# Altium PCB Acquisition-System_V1.0.PcbDoc (part 2 of 5)
Units mil, origin at the board's own origin, x right, y up, seen from the top; angles counter-clockwise.
Board outline 4370.08 x 5629.92 mil, 4 copper layers (Top Layer, Mid-Layer 1, Mid-Layer 2, Bottom Layer), stack 62.135 mil thick; 241 components, 167 nets, 1010 pads, 677 vias.
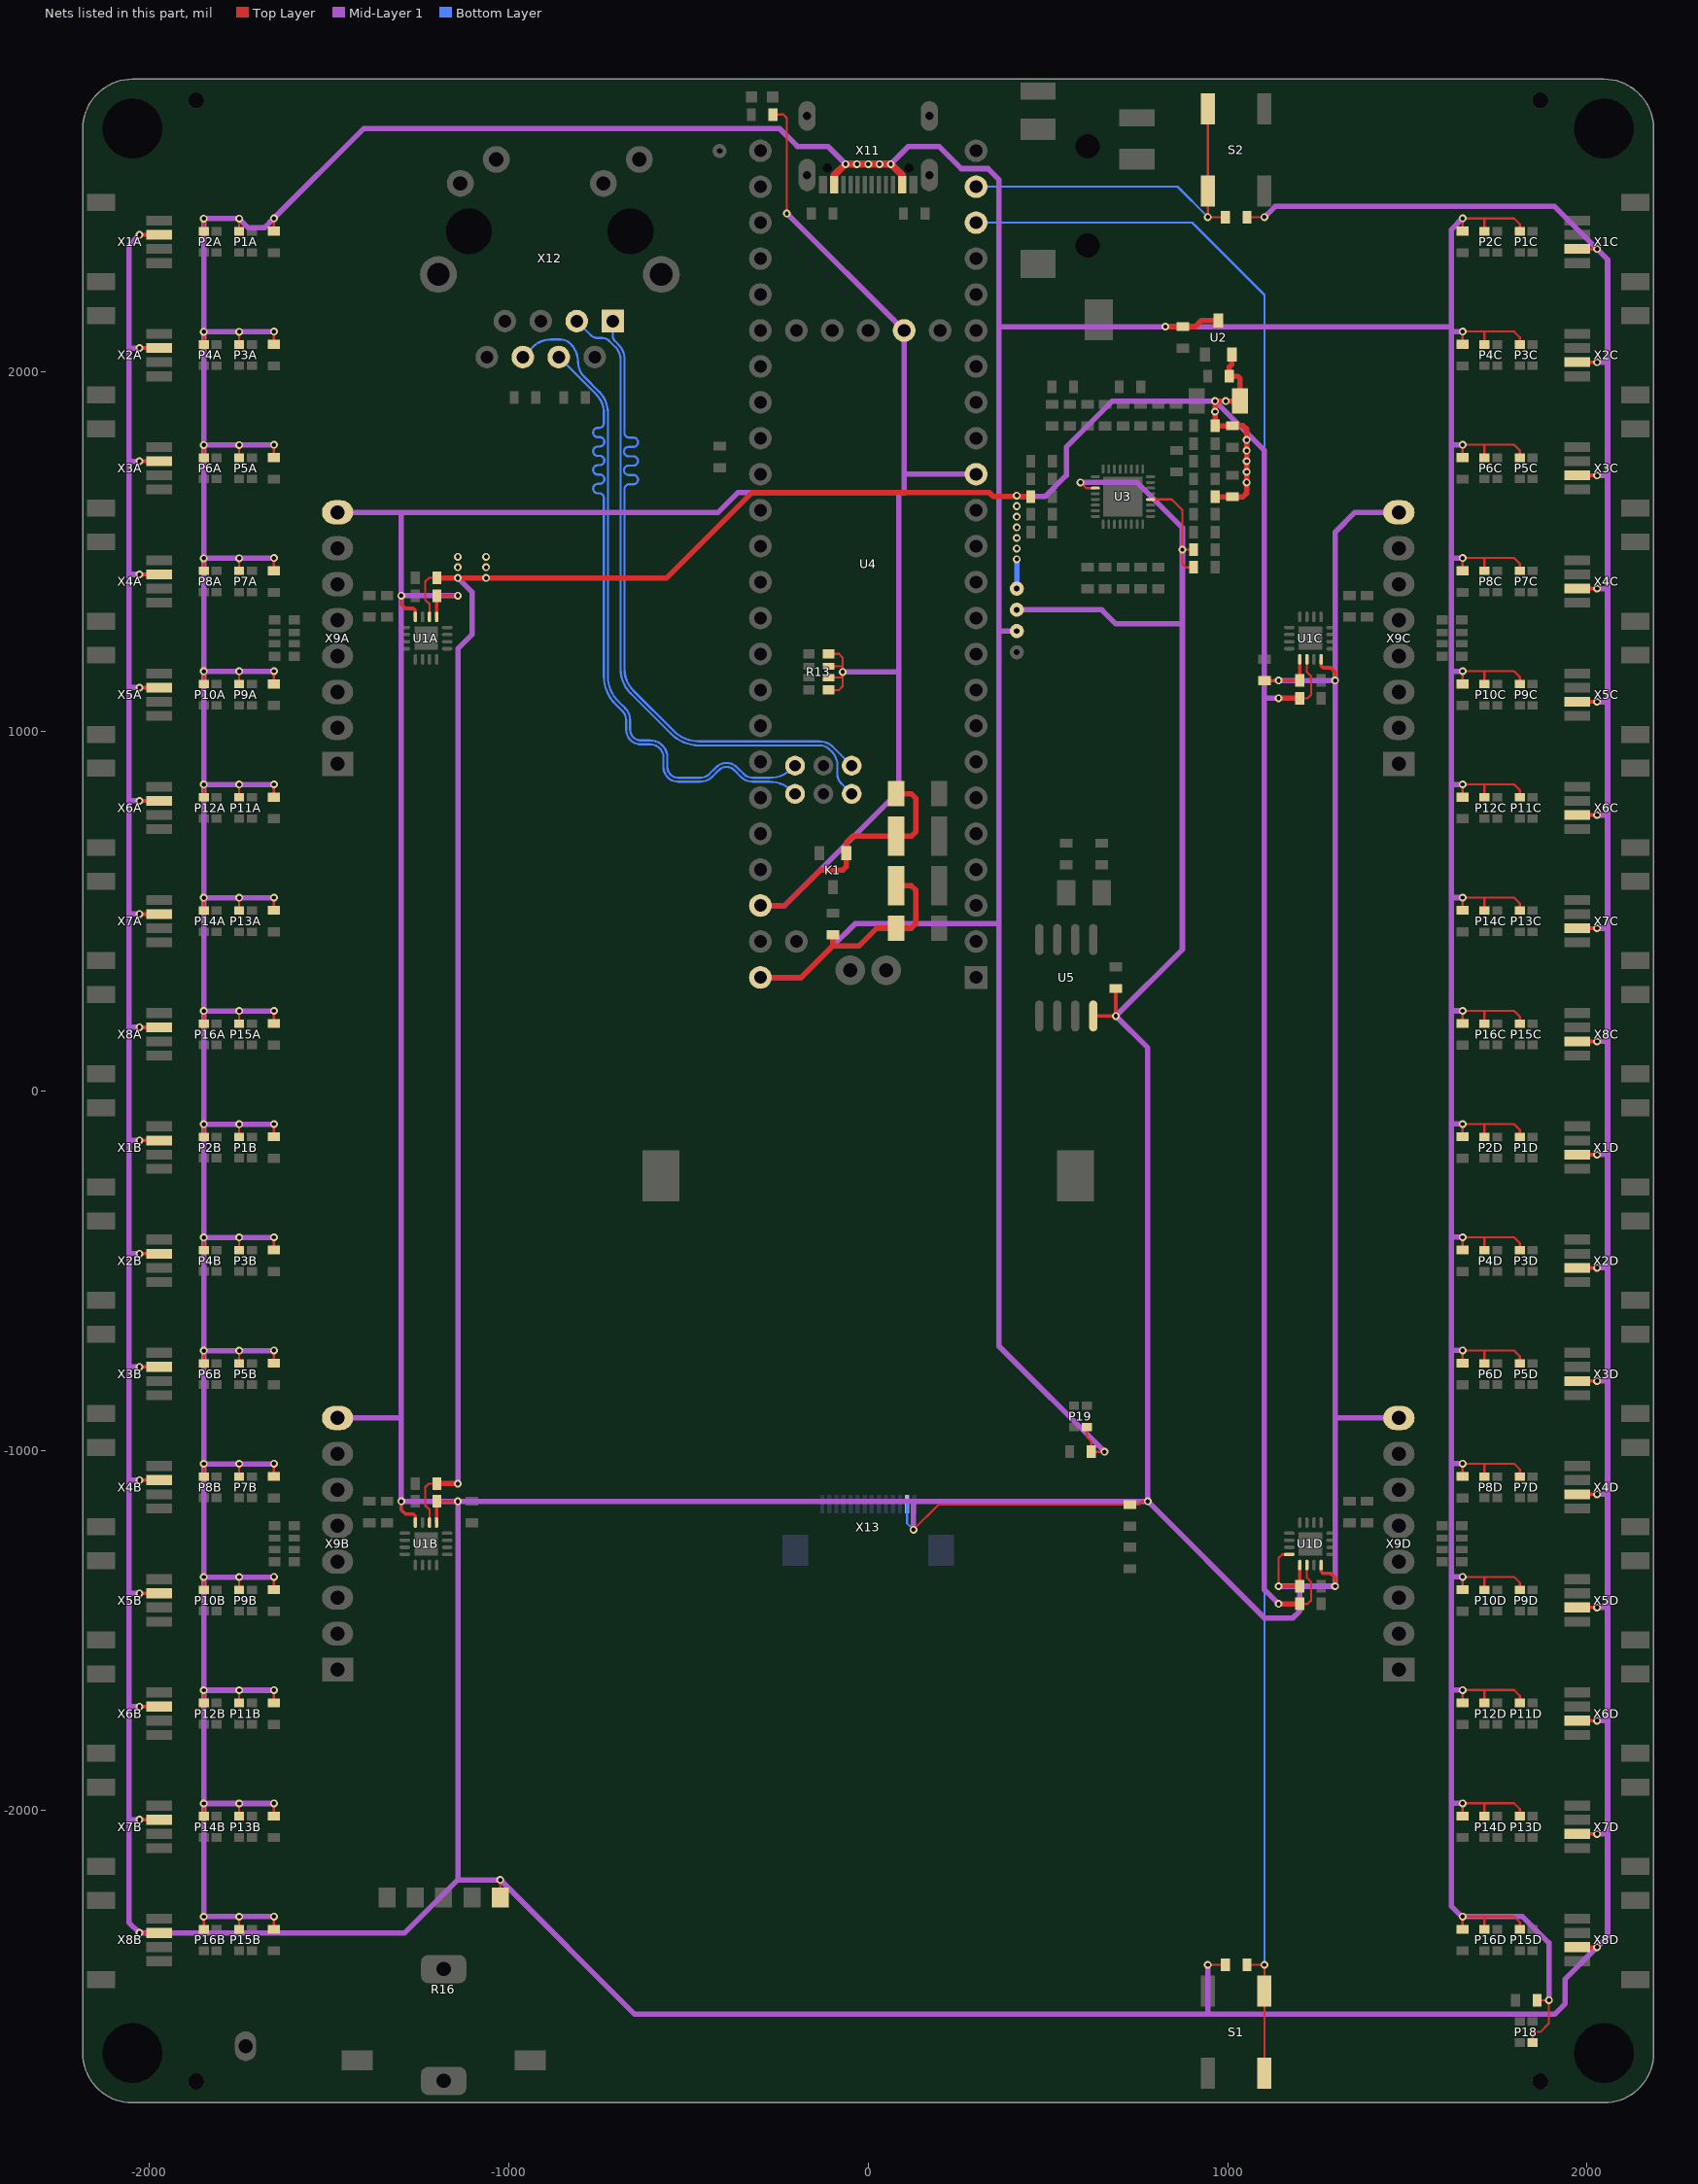
[diagram p4: the nets of this part, all layers, seen from the top]

## Via types
v1: diameter 21.65, hole 11.81, Top Layer to Bottom Layer, tented both sides, 388 vias
v2: diameter 24.41, hole 11.81, Top Layer to Bottom Layer, tented both sides, 289 vias

## Nets (pads, with @x,y where several pads share a name; then routed paths per layer and width w, separated by ;. In a path a pad name is that pad's centre, name@x,y a point inside that pad or via, vN(x,y) a via of type N, cw(c..) or ccw(c..) an arc to the next point about the centre after c; other vN are vias at no path point)
1V8: C2A.2 C2B.2 C2C.2 C2D.2 C11.2 C12.2 C16.2 C17.2 L1.1 L2.1 L3.1 TP1.1 U1A.14 U1B.14 U1C.14 U1D.14 U2.2 | length 9949.8
  Top Layer w6: U1B.14@-1220.47,-1200.79 -1220.47,-1165.35 -1232.28,-1153.54 -1232.28,-1102.36 -1222.44,-1092.52 C2B.2@-1200.31,-1092.52 ; U1A.14@-1220.47,1318.9 -1220.47,1354.33 -1232.28,1366.14 -1232.28,1417.32 -1222.44,1427.17 C2A.2@-1200.31,1427.17 ; C2D.2@1200.31,-1427.17 1222.44,-1427.17 1232.28,-1417.32 1232.28,-1366.14 1220.47,-1354.33 U1D.14@1220.47,-1318.9 ; C2C.2@1200.31,1092.52 1222.44,1092.52 1232.28,1102.36 1232.28,1153.54 1220.47,1165.35 U1C.14@1220.47,1200.79
  Top Layer w15: C2B.2@-1200.31,-1092.52 v1(-1141.73,-1092.52) ; C2A.2@-1200.31,1427.17 v1(-1141.73,1427.17) -561.02,1427.17 -322.83,1665.35 336.61,1665.35 348.43,1653.54 413.39,1653.54 L1.1@452.28,1653.54 ; L2.1@965.04,1653.54 965.51,1653.07 C11.2@1013.78,1653.07 1042.83,1653.07 1053.15,1663.39 1053.15,1840.55 1042.83,1850.87 C12.2@1013.78,1850.87 1013.3,1850.39 L3.1@965.04,1850.39 v1(965.04,1919.29) C17.2@1034.41,1919.29 1034.41,1981.34 1027.56,1988.19 C16.2@1004.41,1988.19 ; C16.2@1004.41,1986.22 1004.41,2014.25 1011.81,2021.65 U2.2@1011.81,2047.24 ; v1(1141.73,-1427.17) C2D.2@1200.31,-1427.17 ; v1(1141.73,1092.52) C2C.2@1200.31,1092.52
  Mid-Layer 1 w15: v1(-1141.73,-1092.52) -1141.73,1230.31 -1102.36,1269.69 -1102.36,1387.8 v1(-1141.73,1427.17) ; v1@413.39,1653.54 492.13,1653.54 551.18,1712.6 551.18,1791.34 679.13,1919.29 v1(965.04,1919.29) 1102.36,1781.97 1102.36,1092.52 ; v1(1141.73,-1427.17) 1102.36,-1387.8 1102.36,1092.52 ; v1(1141.73,1092.52) 1102.36,1092.52
  Bottom Layer w15: TP1.1@413.39,1397.64 v1(413.39,1479.33)
  other v1: -1062.99,1427.17 -1141.73,1456.69 -1062.99,1456.69 -1141.73,1486.22 -1062.99,1486.22 413.39,1508.86 413.39,1538.39 413.39,1567.91 413.39,1597.44 413.39,1626.97 413.39,1656.5 1053.15,1692.92 1053.15,1722.44 1053.15,1751.97 1053.15,1781.5 1053.15,1811.02 965.04,1889.76 994.57,1919.29
3V3: C1A.2 C1B.2 C1C.2 C1D.2 C13.2 C14.2 C36.P C37.2 C41.2 C44.2 K1.G R2.2 R13.1 R13.2 R13.3 R13.4 R16.CCW R17.2 R18.2 R19.1 TP2.1 U1A.13 U1A.16 U1B.13 U1B.16 U1C.13 U1C.16 U1D.12 U1D.13 U1D.16 U3.4 U3.19 U4.15 U4.46 U4.51 U5.8 X1A.2 X1B.2 X1C.2 X1D.2 X2A.2 X2B.2 X2C.2 X2D.2 X3A.2 X3B.2 X3C.2 X3D.2 X4A.2 X4B.2 X4C.2 X4D.2 X5A.2 X5B.2 X5C.2 X5D.2 X6A.2 X6B.2 X6C.2 X6D.2 X7A.2 X7B.2 X7C.2 X7D.2 X8A.2 X8B.2 X8C.2 X8D.2 X9A.8 X9B.8 X9C.8 X9D.8 X13.13 | length 39671.5
  Top Layer w6: R16.CCW@-1023.62,-2244.09 v1(-1023.62,-2194.88) ; R19.1@-265.28,2716.54 -236.22,2716.54 -226.38,2706.69 v1(-226.38,2440.94) ; R13.1@-110.24,1115.55 -81.3,1115.55 -70.87,1125.98 -70.87,1149.61 ; R13.2@-110.24,1150 -71.26,1150 -70.87,1149.61 ; R13.3@-110.24,1181.5 -71.26,1181.5 ; R13.4@-110.24,1215.94 -81.3,1215.94 -70.87,1205.51 v1(-70.87,1165.75) -70.87,1149.61 ; v1(125.98,-1220.47) 195.35,-1151.1 C41.2@728.35,-1151.1 752.44,-1151.1 761.67,-1141.88 777.41,-1141.88 v1(777.56,-1141.73) ; v1(590.55,1692.91) 606.3,1677.17 U3.19@631.89,1677.17 ; U3.4@785.43,1645.67 844.49,1645.67 874.02,1616.14 v1(874.02,1505.91) ; v1@866.14,1505.9 v1(874.02,1505.91) ; C14.2@905.04,1456.69 883.86,1456.69 874.02,1466.54 v1(874.02,1505.91) ; C13.2@905.04,1505.9 v1(874.02,1505.91) ; v1(944.88,-2431.1) R17.2@993.62,-2431.1 ; R18.2@1053.62,2431.1 v1(1102.36,2431.1) ; v1(1141.73,-1377.95) 1141.73,-1299.21 1151.57,-1289.37 U1D.12@1171.26,-1289.37
  Top Layer w10: v1(-2027.56,-2342.52) X8B.2@-1972.44,-2342.52 ; v1(-2027.56,-2027.56) X7B.2@-1972.44,-2027.56 ; v1(-2027.56,-1712.6) X6B.2@-1972.44,-1712.6 ; v1(-2027.56,-1397.64) X5B.2@-1972.44,-1397.64 ; v1(-2027.56,-1082.68) X4B.2@-1972.44,-1082.68 ; v1(-2027.56,-767.72) X3B.2@-1972.44,-767.72 ; v1(-2027.56,-452.76) X2B.2@-1972.44,-452.76 ; v1(-2027.56,-137.8) X1B.2@-1972.44,-137.8 ; v1(-2027.56,177.17) X8A.2@-1972.44,177.17 ; v1(-2027.56,492.13) X7A.2@-1972.44,492.13 ; v1(-2027.56,807.09) X6A.2@-1972.44,807.09 ; v1(-2027.56,1122.05) X5A.2@-1972.44,1122.05 ; v1(-2027.56,1437.01) X4A.2@-1972.44,1437.01 ; v1(-2027.56,1751.97) X3A.2@-1972.44,1751.97 ; v1(-2027.56,2066.93) X2A.2@-1972.44,2066.93 ; v1(-2027.56,2381.89) X1A.2@-1972.44,2381.89 ; v1(-1299.21,-1141.73) -1299.21,-1165.35 -1287.4,-1177.17 -1265.7,-1177.17 -1259.84,-1183.02 U1B.16@-1259.84,-1200.79 ; v1(-1299.21,1377.95) -1299.21,1354.33 -1287.4,1342.52 -1265.7,1342.52 -1259.84,1336.66 U1A.16@-1259.84,1318.9 ; U1B.13@-1200.79,-1200.79 -1200.79,-1142.2 C1B.2@-1200.31,-1141.73 v1(-1141.73,-1141.73) v1@-1141.26,-1141.26 ; U1A.13@-1200.79,1318.9 -1200.79,1377.48 C1A.2@-1200.31,1377.95 ; C1A.2@-1200.31,1377.95 v1(-1141.73,1377.95) ; U5.8@626.18,208.66 v1(688.98,208.66) C44.2@688.98,284.96 ; R2.2@1102.36,1141.26 1102.84,1141.73 v1(1141.73,1141.73) C1C.2@1200.31,1141.73 1200.79,1142.2 U1C.13@1200.79,1200.79 ; v1(1141.73,-1377.95) C1D.2@1200.31,-1377.95 1200.79,-1377.48 U1D.13@1200.79,-1318.9 ; U1D.16@1259.84,-1318.9 1259.84,-1336.66 1265.7,-1342.52 1287.4,-1342.52 1299.21,-1354.33 v1(1299.21,-1377.95) ; U1C.16@1259.84,1200.79 1259.84,1183.02 1265.7,1177.17 1287.4,1177.17 1299.21,1165.35 v1(1299.21,1141.73) ; X8D.2@1972.44,-2381.89 v1(2027.56,-2381.89) ; X7D.2@1972.44,-2066.93 v1(2027.56,-2066.93) ; X6D.2@1972.44,-1751.97 v1(2027.56,-1751.97) ; X5D.2@1972.44,-1437.01 v1(2027.56,-1437.01) ; X4D.2@1972.44,-1122.05 v1(2027.56,-1122.05) ; X3D.2@1972.44,-807.09 v1(2027.56,-807.09) ; X2D.2@1972.44,-492.13 v1(2027.56,-492.13) ; X1D.2@1972.44,-177.17 v1(2027.56,-177.17) ; X8C.2@1972.44,137.8 v1(2027.56,137.8) ; X7C.2@1972.44,452.76 v1(2027.56,452.76) ; X6C.2@1972.44,767.72 v1(2027.56,767.72) ; X5C.2@1972.44,1082.68 v1(2027.56,1082.68) ; X4C.2@1972.44,1397.64 v1(2027.56,1397.64) ; X3C.2@1972.44,1712.6 v1(2027.56,1712.6) ; X2C.2@1972.44,2027.56 v1(2027.56,2027.56) ; X1C.2@1972.44,2342.52 v1(2027.56,2342.52)
  Top Layer w15: U4.46@-300,515.75 -232.28,515.75 -133.86,614.17 -70.87,614.17 -61.02,624.02 -61.02,657.48 -59.06,659.45 -59.06,692.91 -43.31,708.66 120.16,708.66 131.97,720.47 131.97,814.96 120.16,826.77 C37.2@77.8,826.77
  Mid-Layer 1 w15: -2057.09,-2027.56 v1(-2027.56,-2027.56) ; -2057.09,-1712.6 v1(-2027.56,-1712.6) ; -2057.09,-1397.64 v1(-2027.56,-1397.64) ; -2057.09,-1082.68 v1(-2027.56,-1082.68) ; -2057.09,-767.72 v1(-2027.56,-767.72) ; -2057.09,-452.76 v1(-2027.56,-452.76) ; -2057.09,-137.8 v1(-2027.56,-137.8) ; -2057.09,177.17 v1(-2027.56,177.17) ; -2057.09,492.13 v1(-2027.56,492.13) ; -2057.09,807.09 v1(-2027.56,807.09) ; -2057.09,1122.05 v1(-2027.56,1122.05) ; -2057.09,1437.01 v1(-2027.56,1437.01) ; -2057.09,1751.97 v1(-2027.56,1751.97) ; v1(-2027.56,2066.93) -2057.09,2066.93 ; v1(-2027.56,2381.89) -2057.09,2352.36 -2057.09,2066.93 ; X9B.8@-1476.38,-909.84 -1299.21,-909.84 ; X9A.8@-1476.38,1609.84 -1299.21,1609.84 ; v1(-1141.73,1377.95) v1(-1299.21,1377.95) ; U4.46@-300,515.75 -232.28,515.75 84.65,832.68 84.65,1165.75 ; v1@-226.38,2442.13 U4.51@100,2115.75 100,1712.6 ; v1(-70.87,1165.75) 84.65,1165.75 ; v1(125.98,-1220.47) 125.98,-1143.7 127.95,-1141.73 ; U4.15@300,1715.75 103.15,1715.75 100,1712.6 ; TP2.1@413.39,1338.58 649.61,1338.58 688.98,1299.21 874.02,1299.21 ; v1(590.55,1692.91) 748.03,1692.91 874.02,1566.93 v1(874.02,1505.91) 874.02,1299.21 ; v1(944.88,-2431.1) 944.88,-2568.9 ; v1(1102.36,2431.1) 1131.89,2460.63 1909.45,2460.63 v1(2027.56,2342.52) 2057.09,2312.99 2057.09,2027.56 ; v1(1141.73,-1377.95) 1200.79,-1377.95 ; v1(1141.73,1141.73) v1(1299.21,1141.73) ; X9D.8@1476.38,-909.84 1299.21,-909.84 ; X9C.8@1476.38,1609.84 1353.94,1609.84 1299.21,1555.12 v1(1299.21,1141.73) ; v1(2027.56,-2066.93) 2057.09,-2066.93 ; v1(2027.56,-1751.97) 2057.09,-1751.97 ; v1(2027.56,-1437.01) 2057.09,-1437.01 ; v1(2027.56,-1122.05) 2057.09,-1122.05 ; v1(2027.56,-807.09) 2057.09,-807.09 ; v1(2027.56,-492.13) 2057.09,-492.13 ; v1(2027.56,-177.17) 2057.09,-177.17 ; v1(2027.56,137.8) 2057.09,137.8 ; v1(2027.56,452.76) 2057.09,452.76 ; v1(2027.56,767.72) 2057.09,767.72 ; v1(2027.56,1082.68) 2057.09,1082.68 ; v1(2027.56,1397.64) 2057.09,1397.64 ; v1(2027.56,1712.6) 2057.09,1712.6 ; v1(2027.56,2027.56) 2057.09,2027.56 ; -2057.09,2066.93 -2057.09,-2312.99 v1(-2027.56,-2342.52) -1289.37,-2342.52 -1141.73,-2194.88 ; -1299.21,-909.84 v1(-1299.21,1377.95) ; -1299.21,-909.84 v1(-1299.21,-1141.73) v1(-1141.73,-1141.73) ; v1(-1299.21,1377.95) -1299.21,1609.84 ; -1299.21,1609.84 -417.72,1609.84 -362.2,1665.35 84.65,1665.35 ; -1141.73,-2194.88 v1(-1141.73,-1141.73) ; -1141.73,-2194.88 v1(-1023.62,-2194.88) -649.61,-2568.9 944.88,-2568.9 ; v1(-1141.73,-1141.73) 127.95,-1141.73 ; 84.65,1165.75 84.65,1665.35 ; 84.65,1665.35 98.03,1665.35 100,1663.39 100,1712.6 ; 127.95,-1141.73 v1(777.56,-1141.73) ; v1(777.56,-1141.73) 777.56,120.08 v1(688.98,208.66) 874.02,393.7 874.02,1299.21 ; v1(777.56,-1141.73) 1102.36,-1466.54 1181.1,-1466.54 1200.79,-1446.85 1200.79,-1377.95 ; 944.88,-2568.9 1909.45,-2568.9 1938.98,-2539.37 1938.98,-2470.47 v1(2027.56,-2381.89) 2057.09,-2352.36 2057.09,2027.56 ; 1200.79,-1377.95 v1(1299.21,-1377.95) 1299.21,-909.84 ; 1299.21,-909.84 v1(1299.21,1141.73)
  Bottom Layer w6: X13.13@108.27,-1149.61 108.27,-1202.76 v1(125.98,-1220.47)
5V: C3A.2 C3B.2 C3C.2 C3D.2 C4A.2 C4B.2 C4C.2 C4D.2 C5A.2 C5B.2 C5C.2 C5D.2 C6A.2 C6B.2 C6C.2 C6D.2 C7A.2 C7B.2 C7C.2 C7D.2 C8A.2 C8B.2 C8C.2 C8D.2 C9A.2 C9B.2 C9C.2 C9D.2 C10A.2 C10B.2 C10C.2 C10D.2 C15.2 C34.P C35.2 C42.2 C43.2 P1A.1 P1B.1 P1C.1 P1D.1 P2A.1 P2B.1 P2C.1 P2D.1 P3A.1 P3B.1 P3C.1 P3D.1 P4A.1 P4B.1 P4C.1 P4D.1 P5A.1 P5B.1 P5C.1 P5D.1 P6A.1 P6B.1 P6C.1 P6D.1 P7A.1 P7B.1 P7C.1 P7D.1 P8A.1 P8B.1 P8C.1 P8D.1 P9A.1 P9B.1 P9C.1 P9D.1 P10A.1 P10B.1 P10C.1 P10D.1 P11A.1 P11B.1 P11C.1 P11D.1 P12A.1 P12B.1 P12C.1 P12D.1 P13A.1 P13B.1 P13C.1 P13D.1 P14A.1 P14B.1 P14C.1 P14D.1 P15A.1 P15B.1 P15C.1 P15D.1 P16A.1 P16B.1 P16C.1 P16D.1 P18.1 P19.1 R21.2 TP3.1 U2.3 U4.48 X11.A4B9 X11.B4A9 | length 28536.3
  Top Layer w6: P16B.1@-1848.43,-2332.68 v1(-1848.43,-2297.24) ; P14B.1@-1848.43,-2017.72 v1(-1848.43,-1982.28) ; P12B.1@-1848.43,-1702.76 v1(-1848.43,-1667.32) ; P10B.1@-1848.43,-1387.8 v1(-1848.43,-1352.36) ; P8B.1@-1848.43,-1072.83 v1(-1848.43,-1037.4) ; P6B.1@-1848.43,-757.87 v1(-1848.43,-722.44) ; P4B.1@-1848.43,-442.91 v1(-1848.43,-407.48) ; P2B.1@-1848.43,-127.95 v1(-1848.43,-92.52) ; P16A.1@-1848.43,187.01 v1(-1848.43,222.44) ; P14A.1@-1848.43,501.97 v1(-1848.43,537.4) ; P12A.1@-1848.43,816.93 v1(-1848.43,852.36) ; P10A.1@-1848.43,1131.89 v1(-1848.43,1167.32) ; P8A.1@-1848.43,1446.85 v1(-1848.43,1482.28) ; P6A.1@-1848.43,1761.81 v1(-1848.43,1797.24) ; P4A.1@-1848.43,2076.77 v1(-1848.43,2112.2) ; P2A.1@-1848.43,2391.73 v1(-1848.43,2427.17) ; P15B.1@-1750,-2332.68 v1(-1750,-2297.24) ; P13B.1@-1750,-2017.72 v1(-1750,-1982.28) ; P11B.1@-1750,-1702.76 v1(-1750,-1667.32) ; P9B.1@-1750,-1387.8 v1(-1750,-1352.36) ; P7B.1@-1750,-1072.83 v1(-1750,-1037.4) ; P5B.1@-1750,-757.87 v1(-1750,-722.44) ; P3B.1@-1750,-442.91 v1(-1750,-407.48) ; P1B.1@-1750,-127.95 v1(-1750,-92.52) ; P15A.1@-1750,187.01 v1(-1750,222.44) ; P13A.1@-1750,501.97 v1(-1750,537.4) ; P11A.1@-1750,816.93 v1(-1750,852.36) ; P9A.1@-1750,1131.89 v1(-1750,1167.32) ; P7A.1@-1750,1446.85 v1(-1750,1482.28) ; P5A.1@-1750,1761.81 v1(-1750,1797.24) ; P3A.1@-1750,2076.77 v1(-1750,2112.2) ; P1A.1@-1750,2391.73 v1(-1750,2427.17) ; C10B.2@-1653.54,-2332.2 v1(-1653.54,-2296.77) ; C9B.2@-1653.54,-2017.24 v1(-1653.54,-1981.81) ; C8B.2@-1653.54,-1702.28 v1(-1653.54,-1666.85) ; C7B.2@-1653.54,-1387.32 v1(-1653.54,-1351.89) ; C6B.2@-1653.54,-1072.36 v1(-1653.54,-1036.93) ; C5B.2@-1653.54,-757.4 v1(-1653.54,-721.97) ; C4B.2@-1653.54,-442.44 v1(-1653.54,-407.01) ; C3B.2@-1653.54,-127.48 v1(-1653.54,-92.05) ; C10A.2@-1653.54,187.48 v1(-1653.54,222.91) ; C9A.2@-1653.54,502.44 v1(-1653.54,537.87) ; C8A.2@-1653.54,817.4 v1(-1653.54,852.84) ; C7A.2@-1653.54,1132.36 v1(-1653.54,1167.8) ; C6A.2@-1653.54,1447.32 v1(-1653.54,1482.76) ; C5A.2@-1653.54,1762.28 v1(-1653.54,1797.72) ; C4A.2@-1653.54,2077.24 v1(-1653.54,2112.68) ; C3A.2@-1653.54,2392.21 v1(-1653.54,2427.64) ; P19.1@608.27,-935.04 608.27,-962.6 620.55,-974.88 C43.2@620.55,-1003.94 v1(657.48,-1003.94) ; C10D.2@1653.54,-2332.2 v1(1653.54,-2296.77) 1796.77,-2296.77 1812.99,-2312.99 P15D.1@1812.99,-2332.68 ; C9D.2@1653.54,-2017.24 v1(1653.54,-1981.81) 1796.77,-1981.81 1812.99,-1998.03 P13D.1@1812.99,-2017.72 ; C8D.2@1653.54,-1702.28 v1(1653.54,-1666.85) 1796.77,-1666.85 1812.99,-1683.07 P11D.1@1812.99,-1702.76 ; C7D.2@1653.54,-1387.32 v1(1653.54,-1351.89) 1796.77,-1351.89 1812.99,-1368.11 P9D.1@1812.99,-1387.8 ; C6D.2@1653.54,-1072.36 v1(1653.54,-1036.93) 1796.77,-1036.93 1812.99,-1053.15 P7D.1@1812.99,-1072.83 ; C5D.2@1653.54,-757.4 v1(1653.54,-721.97) 1796.77,-721.97 1812.99,-738.19 P5D.1@1812.99,-757.87 ; C4D.2@1653.54,-442.44 v1(1653.54,-407.01) 1796.77,-407.01 1812.99,-423.23 P3D.1@1812.99,-442.91 ; C3D.2@1653.54,-127.48 v1(1653.54,-92.05) 1796.77,-92.05 1812.99,-108.27 P1D.1@1812.99,-127.95 ; C10C.2@1653.54,187.48 v1(1653.54,222.91) 1796.77,222.91 1812.99,206.69 P15C.1@1812.99,187.01 ; C9C.2@1653.54,502.44 v1(1653.54,537.87) 1796.77,537.87 1812.99,521.65 P13C.1@1812.99,501.97 ; C8C.2@1653.54,817.4 v1(1653.54,852.84) 1796.77,852.83 1812.99,836.61 P11C.1@1812.99,816.93 ; C7C.2@1653.54,1132.36 v1(1653.54,1167.8) 1796.77,1167.79 1812.99,1151.57 P9C.1@1812.99,1131.89 ; C6C.2@1653.54,1447.32 v1(1653.54,1482.76) 1796.77,1482.76 1812.99,1466.54 P7C.1@1812.99,1446.85 ; C5C.2@1653.54,1762.28 v1(1653.54,1797.72) 1796.77,1797.72 1812.99,1781.5 P5C.1@1812.99,1761.81 ; C4C.2@1653.54,2077.24 v1(1653.54,2112.68) 1796.77,2112.68 1812.99,2096.46 P3C.1@1812.99,2076.77 ; C3C.2@1653.54,2392.21 v1(1653.54,2427.64) 1796.77,2427.64 1812.99,2411.42 P1C.1@1812.99,2391.73 ; P16D.1@1714.57,-2332.68 1714.57,-2298.74 ; P14D.1@1714.57,-2017.72 1714.57,-1983.78 ; P12D.1@1714.57,-1702.76 1714.57,-1668.82 ; P10D.1@1714.57,-1387.8 1714.57,-1353.86 ; P8D.1@1714.57,-1072.83 1714.57,-1038.9 ; P6D.1@1714.57,-757.87 1714.57,-723.94 ; P4D.1@1714.57,-442.91 1714.57,-408.98 ; P2D.1@1714.57,-127.95 1714.57,-94.02 ; P16C.1@1714.57,187.01 1714.57,220.94 ; P14C.1@1714.57,501.97 1714.57,535.9 ; P12C.1@1714.57,816.93 1714.57,850.87 ; P10C.1@1714.57,1131.89 1714.57,1165.83 ; P8C.1@1714.57,1446.85 1714.57,1480.79 ; P6C.1@1714.57,1761.81 1714.57,1795.75 ; P4C.1@1714.57,2076.77 1714.57,2110.71 ; P2C.1@1714.57,2391.73 1714.57,2425.67 ; P18.1@1848.43,-2647.64 1848.43,-2624.02 1854.33,-2618.11 1870.08,-2618.11 1893.7,-2594.49 v1(1893.7,-2529.53) C42.2@1860.71,-2529.53
  Top Layer w15: U4.48@-300,315.75 -186.22,315.75 -98.43,403.54 -25.59,403.54 23.62,452.76 C35.2@77.8,452.76 120.16,452.76 131.97,464.57 131.97,559.06 120.16,570.87 C34.P@77.8,570.87 ; -98.42,405.51 R21.2@-98.42,434.57 ; v1(826.77,2126.46) C15.2@875.98,2126.46 909.92,2126.46 927.17,2143.7 U2.3@974.41,2143.7
  Top Layer w20: X11.B4A9@-94.49,2521.65 -94.49,2547.24 v1(-62.99,2578.74) v1(-31.5,2578.74) v1(0,2578.74) v1(31.5,2578.74) v1(62.99,2578.74) 94.49,2547.24 X11.A4B9@94.49,2521.65
  Mid-Layer 1 w15: v1@-1654.02,-2297.24 v1(-1848.43,-2297.24) v1(-1848.43,-1982.28) ; v1@-1654.02,-1982.28 v1(-1848.43,-1982.28) ; v1@-1654.02,-1667.32 v1(-1750,-1667.32) v1(-1848.43,-1667.32) ; v1@-1654.02,-1352.36 v1(-1750,-1352.36) v1(-1848.43,-1352.36) ; v1@-1654.02,-1037.4 v1(-1750,-1037.4) v1(-1848.43,-1037.4) ; v1@-1654.02,-722.44 v1(-1750,-722.44) v1(-1848.43,-722.44) ; v1@-1654.02,-92.52 v1(-1750,-92.52) v1(-1848.43,-92.52) ; v1@-1654.02,222.44 v1(-1750,222.44) v1(-1848.43,222.44) ; v1@-1654.02,537.4 v1(-1750,537.4) v1(-1848.43,537.4) ; v1@-1654.02,852.36 v1(-1750,852.36) v1(-1848.43,852.36) ; v1@-1654.02,1167.32 v1(-1750,1167.32) v1(-1848.43,1167.32) ; v1@-1654.02,1482.28 v1(-1750,1482.28) v1(-1848.43,1482.28) ; v1@-1654.02,1797.24 v1(-1750,1797.24) v1(-1848.43,1797.24) ; v1@-1654.02,2112.2 v1(-1750,2112.2) v1(-1848.43,2112.2) ; v1(-1653.54,-407.01) -1654.02,-407.48 v1(-1750,-407.48) v1(-1848.43,-407.48) ; U4.48@-300,315.75 -186.22,315.75 -98.43,403.54 -36.42,465.55 364.17,465.55 ; TP3.1@413.39,1279.53 364.17,1279.53 ; v1(657.48,-1003.94) 364.17,-710.63 364.17,465.55 ; 1624.49,-1666.85 v1(1653.54,-1666.85) ; 1624.49,-1351.89 v1(1653.54,-1351.89) ; 1624.49,-1036.93 v1(1653.54,-1036.93) ; 1624.49,-721.97 v1(1653.54,-721.97) ; 1624.49,-407.01 v1(1653.54,-407.01) ; 1624.49,-92.05 v1(1653.54,-92.05) ; 1624.49,222.91 v1(1653.54,222.91) ; 1624.49,537.87 v1(1653.54,537.87) ; 1624.49,852.84 v1(1653.54,852.84) ; 1624.49,1167.8 v1(1653.54,1167.8) ; 1624.49,1482.76 v1(1653.54,1482.76) ; 1624.49,1797.72 v1(1653.54,1797.72) ; 1624.49,2112.68 v1(1653.54,2112.68) ; v1(1653.54,-1981.81) 1624.49,-1981.81 1622.05,-1984.25 ; v1(1653.54,2427.64) 1622.05,2396.14 1622.05,2125.98 ; v1(1893.7,-2529.53) 1893.7,-2370.08 1820.39,-2296.77 v1(1653.54,-2296.77) 1651.74,-2296.77 1648.42,-2293.44 1647.78,-2293.44 1622.05,-2267.72 1622.05,-1984.25 ; v1(-1848.43,-1982.28) v1(-1848.43,-1667.32) ; v1(-1848.43,-1667.32) v1(-1848.43,-1352.36) ; v1(-1848.43,-1352.36) v1(-1848.43,-1037.4) ; v1(-1848.43,-1037.4) v1(-1848.43,-722.44) ; v1(-1848.43,-722.44) v1(-1848.43,-407.48) ; v1(-1848.43,-407.48) v1(-1848.43,-92.52) ; v1(-1848.43,-92.52) v1(-1848.43,222.44) ; v1(-1848.43,222.44) v1(-1848.43,537.4) ; v1(-1848.43,537.4) v1(-1848.43,852.36) ; v1(-1848.43,852.36) v1(-1848.43,1167.32) ; v1(-1848.43,1167.32) v1(-1848.43,1482.28) ; v1(-1848.43,1482.28) v1(-1848.43,1797.24) ; v1(-1848.43,1797.24) v1(-1848.43,2112.2) ; v1(-1848.43,2112.2) v1(-1848.43,2427.17) v1(-1750,2427.17) -1724.41,2401.57 -1679.61,2401.57 v1(-1653.54,2427.64) -1404.02,2677.17 -246.06,2677.17 -196.85,2627.95 -112.2,2627.95 v1(-62.99,2578.74) v1(-31.5,2578.74) v1(0,2578.74) v1(31.5,2578.74) v1(62.99,2578.74) 112.2,2627.95 196.85,2627.95 258.86,2565.94 333.66,2565.94 364.17,2535.43 364.17,2125.98 ; 364.17,465.55 364.17,1279.53 ; 364.17,1279.53 364.17,2125.98 ; 364.17,2125.98 364.65,2126.46 v1(826.77,2126.46) 1621.57,2126.46 1622.05,2125.98 ; 1622.05,-1984.25 1622.05,2125.98
BTN_REC: R17.1 S1.1 U4.22 | length 5881.3
  Top Layer w6: R17.1@1053.62,-2431.1 v1(1102.36,-2431.1) S1.1@1102.36,-2503.94 S1.1@1102.36,-2732.28
  Bottom Layer w6: U4.22@300,2415.75 901.18,2415.75 1102.36,2214.57 v1(1102.36,-2431.1)
BTN_SEL: R18.1 S2.1 U4.23 | length 1029.9
  Top Layer w6: S2.1@944.88,2732.28 S2.1@944.88,2503.94 v1(944.88,2431.1) R18.1@993.62,2431.1
  Bottom Layer w6: U4.23@300,2515.75 860.24,2515.75 v1(944.88,2431.1)
ETH_RX_N: U4.59 X12.6 | length 1865.6
  Bottom Layer w6: X12.6@-960.83,2041.73 -932.35,2070.21 cw(c-883.24,2021.1) -883.24,2090.55 -856.92,2090.55 cw(c-856.92,2050.03) -828.26,2078.68 cw(c-879.38,2027.56) -807.09,2027.56 ccw(c-750.06,2027.56) -790.39,1987.24 -748.7,1945.55 cw(c-807.36,1886.9) -724.41,1886.9 -724.41,1154.5 ccw(c-624.41,1154.5) -695.12,1083.79 -676.42,1065.09 cw(c-709.89,1031.62) -662.56,1031.62 -662.56,1005.64 ccw(c-631.48,1005.64) -654.05,984.27 ; -653.45,983.66 cw(c-631.48,1005.64) -654.04,984.27 ; -394.58,912.59 cw(c-394.58,870.51) -364.83,900.26 -346.46,881.89 ccw(c-320.76,907.58) -320.76,871.25 -274.61,871.25 ccw(c-274.61,961.04) -211.11,897.55 U4.59@-203.54,905.12 ; -393.7,912.57 ccw(c-393.7,870.49) -423.46,900.25 -441.83,881.88 cw(c-467.52,907.57) -467.52,871.24 -527.89,871.24 cw(c-527.89,902.88) -550.27,880.5 cw(c-527.7,901.87) -558.78,901.87 -558.78,927.85 ccw(c-606.11,927.85) -572.64,961.32 ccw(c-606.11,927.85) -606.11,975.19 -632.09,975.19 cw(c-632.09,1006.27) -654.04,984.27
ETH_RX_P: U4.60 X12.4 | length 1867.8
  Bottom Layer w6: X12.4@-860.83,2041.73 -756.21,1937.11 cw(c-806.42,1886.9) -735.41,1886.9 -735.41,1857.9 cw(c-748.41,1857.9) -748.41,1844.9 -752.41,1844.9 ccw(c-752.41,1831.9) -752.41,1818.9 -746.91,1818.9 cw(c-746.91,1805.9) -746.91,1792.9 -752.41,1792.9 ccw(c-752.41,1779.9) -752.41,1766.9 -746.91,1766.9 cw(c-746.91,1753.9) -746.91,1740.9 -752.41,1740.9 ccw(c-752.41,1727.9) -752.41,1714.9 -746.91,1714.9 cw(c-746.91,1701.9) -746.91,1688.9 -752.41,1688.9 ccw(c-752.41,1675.9) -752.41,1662.9 -748.41,1662.9 cw(c-748.41,1649.9) -735.41,1649.9 -735.41,1629.92 -735.41,1154.5 ccw(c-624.41,1154.5) -702.9,1076.01 -684.2,1057.31 cw(c-709.89,1031.62) -673.56,1031.62 -673.56,1005.64 ccw(c-631.47,1005.64) -661.23,975.88 ; -661.85,976.51 ccw(c-632.09,1006.27) -632.09,964.19 -606.11,964.19 cw(c-606.11,927.85) -580.42,953.55 cw(c-606.11,927.85) -569.78,927.85 -569.78,901.87 ccw(c-527.7,901.87) -557.45,872.12 ccw(c-528.77,900.8) -528.77,860.24 -467.52,860.24 ccw(c-467.52,907.57) -434.05,874.1 -415.68,892.47 cw(c-393.7,870.49) -393.73,901.57 ; -394.58,901.59 cw(c-394.58,870.51) -393.73,901.57 ; U4.60@-203.54,826.38 -211.11,833.95 ccw(c-274.61,770.46) -274.61,860.25 -320.76,860.25 cw(c-320.76,907.58) -354.23,874.11 -372.61,892.48 ccw(c-394.58,870.51) -393.73,901.57
ETH_TX_N: U4.56 X12.3 | length 1866.9
  Bottom Layer w6: X12.3@-810.83,2141.73 -771.8,2102.7 ccw(c-751.97,2122.53) -751.97,2094.49 -739.48,2094.49 cw(c-739.48,2067.6) -720.47,2086.61 -702.76,2068.9 cw(c-736.02,2035.63) -688.98,2035.63 -688.98,1173.23 ccw(c-594.39,1173.23) -661.27,1106.35 -548.88,993.95 ccw(c-470.39,1072.44) -470.39,961.44 -134.47,961.44 cw(c-134.47,923.91) -107.93,950.45 -101.64,944.16 cw(c-140.28,905.51) -85.63,905.51 -85.63,880.06 ccw(c-52.03,880.06) -75.79,856.3 -46.06,826.57 U4.56@-46.06,826.38
ETH_TX_P: U4.55 X12.1 | length 1895.5
  Bottom Layer w6: X12.1@-710.83,2141.73 -710.83,2101.35 ccw(c-689.53,2101.35) -704.59,2086.29 -694.98,2076.68 cw(c-736.02,2035.63) -681.45,2055.42 cw(c-736.02,2035.63) -677.98,2035.63 -677.98,1850.6 -677.98,1830.77 ccw(c-664.98,1830.77) -664.98,1817.77 -653.54,1817.77 cw(c-653.54,1804.77) -653.54,1791.77 -666.48,1791.77 ccw(c-666.48,1778.77) -666.48,1765.77 -653.54,1765.77 cw(c-653.54,1752.77) -653.54,1739.77 -666.48,1739.77 ccw(c-666.48,1726.77) -666.48,1713.77 -653.54,1713.77 cw(c-653.54,1700.77) -653.54,1687.77 -664.98,1687.77 ccw(c-664.98,1674.77) -677.98,1674.77 -677.98,1645.77 -677.98,1173.23 ccw(c-594.39,1173.23) -653.5,1114.13 -541.1,1001.73 ccw(c-470.39,1072.44) -470.39,972.44 -134.47,972.44 cw(c-134.47,921.55) -98.48,957.54 U4.55@-46.06,905.12